# Altium PCB Calipso V2.0 REV2.0 (new origin).PcbDoc (part 2 of 5) (continued)
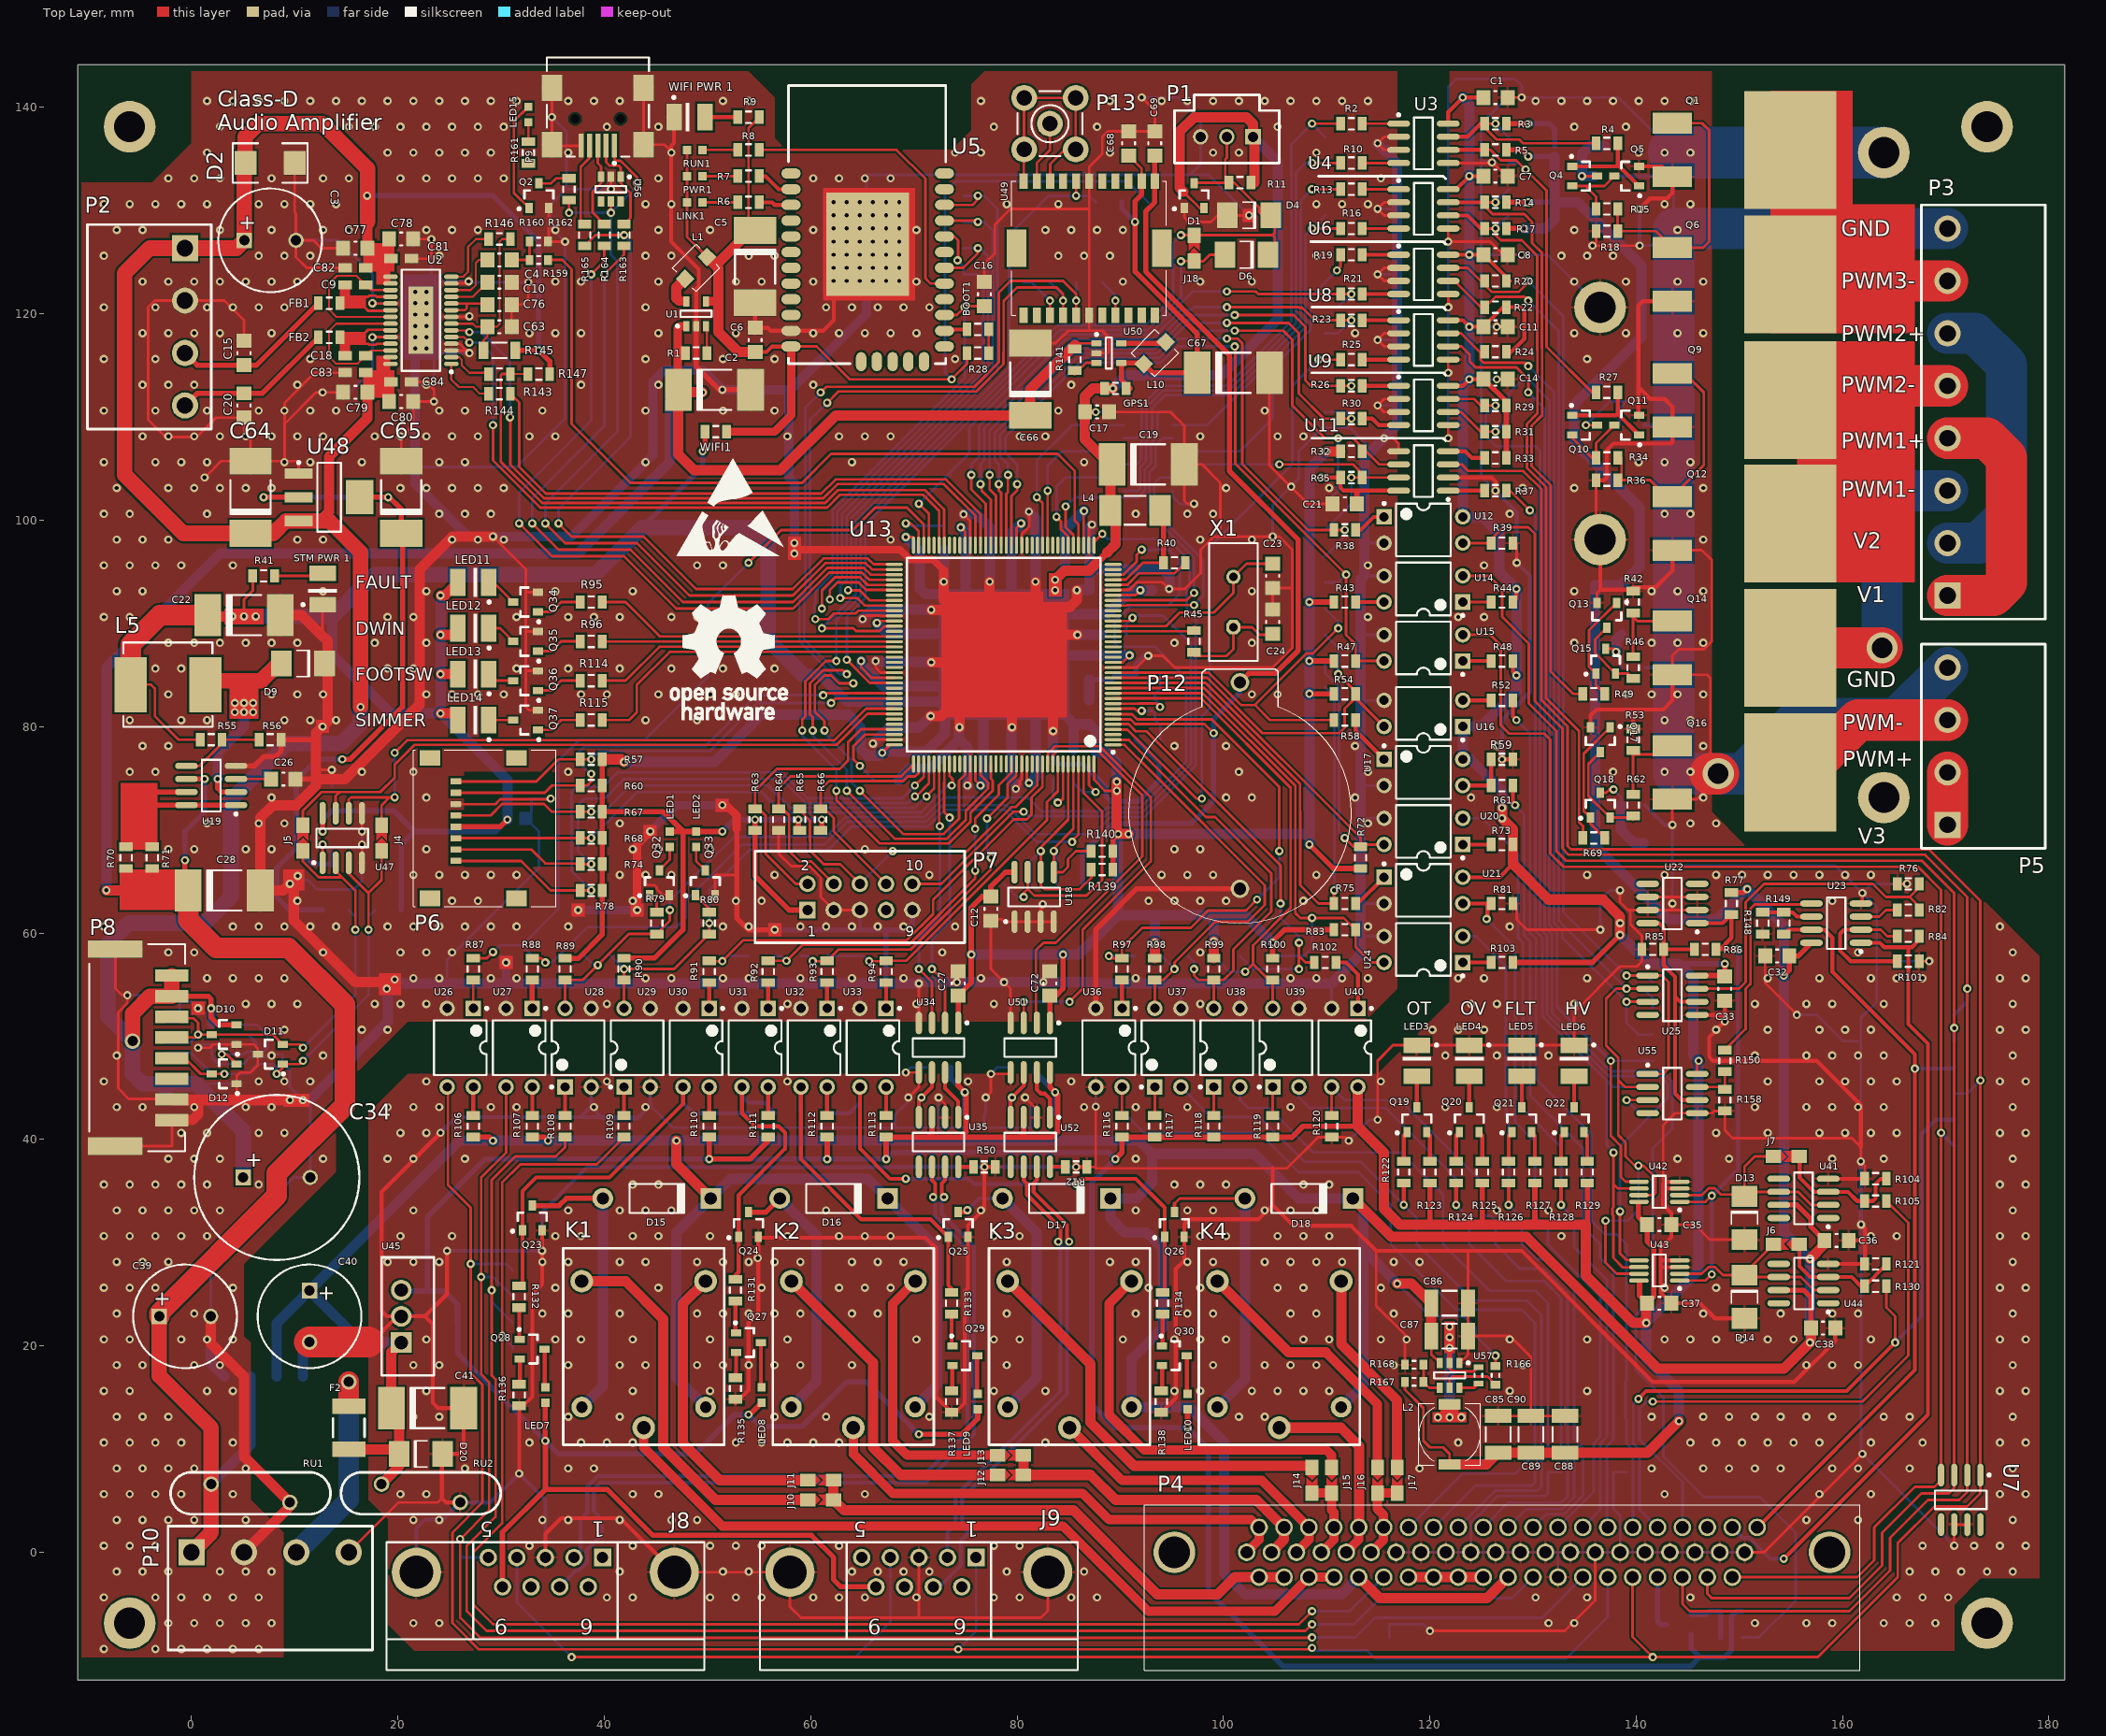
[diagram p0: Top Layer view]
## Nets (pads, with @x,y where several pads share a name; then routed paths per layer and width w, separated by ;. In a path a pad name is that pad's centre, name@x,y a point inside that pad or via, vN(x,y) a via of type N, cw(c..) or ccw(c..) an arc to the next point about the centre after c; other vN are vias at no path point) (continued)
  Top Layer w0.381: 46.76,139.065 46.76,136.549 46.482,136.271 46.482,135.763 46.482,127 49.144,124.338 49.144,122.682 48.895,122.433 U1.2@48.895,118.815 ; C5.2@54.61,121.415 C6.2@54.61,118.65 55.848,118.65 56.134,118.364 U5.23@58.097,118.364 61.214,118.364 62.23,119.38 62.23,123.38 U5.25@65.59,126.74
  Top Layer w0.5: U19.4@4.705,76.2 6.096,76.2 6.985,77.089 8.128,77.089 8.67,77.631 R56.1@8.67,78.74 12.065,78.74 ; C26.1@10.065,74.93 12.065,74.93 ; U1.2@48.895,118.815 48.895,114.913 51.159,112.649 v1(51.435,112.649) C2.2@54.173,112.649 ; 52.832,70.104 52.832,61.468 53.975,60.325 v1(56.515,60.325) ; U36.2@87.63,52.705 87.63,60.325 91.6,64.295 P12.1@101.6,64.295
  Top Layer w0.7: v1@58.42,97.155 68.648,97.155 69.595,96.208 71.813,96.208 72.898,95.123
  Top Layer w0.8: v1(43.18,62.23) 43.18,65.659 43.18,68.58 v1(44.45,69.85) ; v1(51.435,72.39) 51.816,72.39 52.832,71.374 52.832,70.104
  Top Layer w0.9: v1(72.898,94.045) 72.898,95.123
  Top Layer w1: P8.8@-1.905,41.88 0.097,41.88 0.635,42.418 0.635,43.815 ; P8.7@-1.905,43.88 -1.84,43.815 0.635,43.815 ; C39.2@1.865,22.86 1.865,20.233 5.08,17.018 5.08,9.271 RU1.1@9.525,4.826 9.525,4.445 P10.2@5.08,0 ; C22.2@8.58,90.805 10.668,90.805 12.573,88.9 13.17,88.303 13.17,80.48 v1(12.7,80.01) 12.065,79.375 12.065,78.74 12.065,75.819 12.065,74.93 ; 9.906,65.151 9.906,61.214 15.875,55.245 19.05,55.245 ; v1(10.287,65.532) v1(9.525,64.77) 8.89,64.135 C28.2@6.675,64.135 6.675,71.191 7.874,72.39 10.16,72.39 12.065,74.295 12.065,74.93 ; v1(10.795,43.815) v1(9.525,43.815) 4.318,43.815 0.635,43.815 ; v1(29.21,98.425) 25.273,98.425 22.098,95.25 22.098,82.169 14.859,74.93 12.065,74.93 ; v1(71.628,81.026) 72.644,81.026 73.914,82.296 ; v1(71.69,86.233) 73.66,86.233 ; v1(71.69,91.313) 73.152,91.313 ; 72.898,92.329 v1(72.898,94.045) ; v1(74.422,79.945) 74.422,81.407 ; 77.343,92.583 v1(77.343,94.045) ; v1(79.502,79.945) 79.502,81.407 ; 81.788,92.837 v1(81.788,94.045) ; 83.439,82.042 83.49,81.991 v1(83.49,79.578) ; 84.074,88.9 v1(85.852,88.9) ; 84.201,91.567 85.09,91.567 85.79,92.267 v1(85.79,93.218)
  Bottom Layer w0.254: v1(-6.223,53.975) -4.445,53.975 -3.865,53.395 P11.10@-2.54,53.395 -1.198,53.395 -1.143,53.34 ; P11.8@-2.54,51.395 -1.183,51.395 -1.143,51.435 -1.143,52.395 ; P11.9@-2.54,52.395 -1.143,52.395 ; v1(0.635,48.895) 0.955,49.215 D21.1@1.975,49.215 1.975,47.936 2.606,47.305 D23.1@4.375,47.305 5.014,47.305 5.769,48.06 7.674,48.06 7.874,48.26 D22.3@8.82,48.26 8.82,47.441 9.525,46.736 9.525,45.085 v1(10.795,43.815) ; v1(0.635,52.705) 0,53.34 -1.143,53.34 ; C39.2@1.865,22.86 1.865,28.281 9.906,36.322 C34.2@11.505,36.322 11.505,43.74 11.43,43.815 ; 9.906,65.151 11.271,65.151 12.192,64.23 15.716,64.23 16.51,65.024 v1(16.51,68.58) v1(16.51,69.85) ; C3.2@10.12,127.127 14.224,127.127 17.526,123.825 v1(17.526,121.031) v2(21.675,121.03) v2(21.675,121.03) ; v1(12.7,112.395) 15.367,112.395 17.526,114.554 v1(17.526,117.729) v2(21.675,117.73) v2(21.675,117.73) ; C13.1@13.589,74.2 v1(13.589,75.819) ; 21.675,105.156 31.496,105.156 36.195,109.855 v1(36.195,127) 34.798,128.397 34.798,130.556 36.322,132.08 ; v2(22.775,116.63) 23.2,116.205 v1(26.924,116.205) ; v2(22.775,119.93) 22.944,119.761 v1(26.924,119.761) ; 23.241,122.682 23.241,123.151 ; v1(23.241,127.254) 23.241,123.151 ; 23.368,115.951 23.495,115.824 v1(23.495,111.506) ; U26.2@24.765,52.705 24.765,55.117 24.765,57.404 33.655,66.294 33.655,69.85 32.385,71.12 32.925,71.66 C60.2@32.925,73.025 v1(34.798,73.025) ; U27.2@30.481,52.705 30.481,54.864 ; v1(32.639,123.063) 26.947,123.063 v1(26.859,123.151) 23.241,123.151 ; v1(34.925,139.065) 36.322,137.668 36.322,132.08 ; U28.3@38.735,52.705 38.735,55.117 ; v1(40.64,132.08) 36.322,132.08 ; U29.3@44.451,52.705 44.451,55.118 ; U30.2@47.625,52.705 47.625,55.117 ; U31.2@53.34,52.705 53.34,55.117 ; U32.2@59.055,52.705 59.056,55.118 ; U33.2@64.77,52.705 64.77,55.117 ; P7.5@64.77,62.23 64.77,60.452 64.897,60.325 ; 65.278,127.508 65.405,127.635 65.405,133.477 96.774,133.477 ; v1@67.183,123.444 68.326,122.301 ; U36.2@87.63,52.705 87.63,54.991 87.757,55.118 ; v1(92.075,140.97) 95.631,140.97 97.79,138.811 P1.3@97.79,137.16 97.79,134.493 96.774,133.477 ; U46.7@95.11,102.87 95.11,102.248 95.758,101.6 v1(97.155,101.6) ; U37.3@95.885,52.705 95.885,55.118 ; U38.3@101.6,52.705 101.6,55.118 ; v1(102.489,129.54) 98.552,133.477 96.774,133.477 ; v1(104.775,98.425) 104.775,101.473 v1(106.553,103.251) 107.315,104.013 107.315,106.68 109.601,108.966 112.268,108.966 114.427,106.807 ; U39.3@107.315,52.705 107.315,54.991 107.442,55.118 ; U40.2@110.49,52.705 110.49,55.118 ; 113.284,59.69 U24.3@115.57,59.69 ; 113.284,62.865 U21.2@115.57,62.865 ; 113.284,71.12 U20.3@115.57,71.12 ; 113.284,74.295 U17.2@115.57,74.295 ; 113.284,82.677 113.411,82.55 U16.3@115.57,82.55 ; 113.284,88.9 U15.3@115.57,88.9 ; 113.665,94.615 U14.3@115.57,94.615 ; 113.665,97.79 U12.2@115.57,97.79 ; v1(114.935,111.125) 116.84,111.125 ; v1(114.935,117.475) 116.84,117.475 ; v1(114.935,123.825) 116.84,123.825 ; v1(114.935,130.175) 116.84,130.175 ; -1.143,52.395 -1.143,53.34
  Bottom Layer w0.5: v1(56.515,60.325) 64.897,60.325 67.31,60.325 ; 67.183,55.118 67.31,55.245 67.31,60.325 ; P7.9@69.85,62.23 69.85,60.96 69.215,60.325 67.31,60.325 ; R153.1@83.49,77.82 83.49,76.784 83.947,76.327 86.455,76.327 C58.1@87.63,75.152 88.646,74.136 88.646,73.221 89.096,72.771 91.753,72.771 93.726,74.744 93.726,76.549 C70.1@91.535,78.74 ; C51.1@86.995,84.55 89.122,84.55 89.662,85.09 C71.1@91.535,85.09 91.535,86.074 92.329,86.868 v1(92.71,86.868)
  Bottom Layer w0.8: 30.481,54.864 v1(30.481,57.15) ; v1(37.465,62.23) v1(43.18,62.23) ; v1(44.45,69.85) 46.99,72.39 v1(51.435,72.39)
  Bottom Layer w0.9: v2(21.675,116.63) 21.675,105.156 21.675,103.547 26.797,98.425 v1(29.21,98.425) 36.83,98.425 44.704,106.299 44.704,113.411 45.847,114.554 49.53,114.554 v1(51.435,112.649) 57.785,112.649 57.912,112.522 ; v1(58.42,97.79) 58.42,103.632 57.912,104.14 57.912,112.522 ; 65.405,125.095 65.405,120.015 57.912,112.522 ; 66.675,123.19 66.675,124.968
  Bottom Layer w1: C39.2@1.865,22.86 1.865,18.328 TP14.4@3.175,17.018 ; v1(9.525,43.815) v1(10.795,43.815) 11.43,43.815 19.05,51.435 19.05,55.117 24.765,55.117 30.479,55.117 ; 9.906,65.151 v1(10.287,65.532) ; 30.48,55.118 38.736,55.118 44.451,55.118 47.626,55.118 53.341,55.118 59.056,55.118 64.771,55.118 67.183,55.118 v1(70.486,55.118) 70.613,55.245 v1(74.168,55.245) v1(78.74,55.245) v1(82.55,55.245) 87.63,55.245 87.757,55.118 95.885,55.118 101.6,55.118 107.442,55.118 110.49,55.118 113.284,57.912 113.284,59.69 113.284,62.865 113.284,71.12 113.284,74.295 113.284,82.677 113.284,88.9 113.284,94.234 113.665,94.615 113.665,97.79 113.665,106.045 114.427,106.807 v1(115.57,107.95) 116.84,109.22 116.84,111.125 116.84,117.475 116.84,123.825 116.84,130.175 116.84,134.62 v1(114.935,136.525) ; v1(65.024,90.424) 65.945,91.345 71.658,91.345 v1(71.69,91.313) ; v1(66.04,78.359) 67.596,79.915 C55.1@70.485,79.915 71.596,81.026 v1(71.628,81.026) ; v1(66.294,86.36) 66.389,86.265 C52.1@70.485,86.265 71.658,86.265 v1(71.69,86.233) ; C59.2@68.485,74.803 69.628,75.946 71.596,75.946 C57.1@74.39,78.74 ; v1(72.898,94.045) 72.93,94.077 72.93,97.091 C44.2@72.898,97.123 ; v1(74.422,79.945) 74.39,79.913 C57.1@74.39,78.74 ; v1(74.803,100.584) 76.073,100.584 77.375,99.282 77.375,94.077 v1(77.343,94.045) ; v1(75.184,74.295) 75.184,77.946 C57.1@74.39,78.74 ; v1(79.502,79.945) 79.47,79.913 79.47,74.835 79.883,74.422 v1(79.883,73.979) ; v1(81.153,100.838) 81.82,100.171 C46.1@81.82,95.25 ; v1(81.788,94.045) C46.1@81.788,95.25 ; R153.1@83.49,77.82 v1(83.49,79.578) ; v1(85.79,93.218) 85.822,93.25 C48.1@86.995,93.25 87.027,93.282 C45.1@87.027,95.25 ; v1(85.852,88.9) C50.2@88.233,88.9 ; C54.1@86.995,82.582 C51.1@86.995,84.55 ; v1(87.249,99.568) 87.027,99.346 C45.1@87.027,95.25 ; v1(94.742,93.345) 94.742,94.615 94.107,95.25 C45.1@87.027,95.25
  other v1: -8.5,-9.37 -3.5,-9.37 -1,-9.37 1.5,-9.37 4,-9.37 6.5,-9.37 -2.25,-6.87 0.25,-6.87 2.75,-6.87 5.25,-6.87 7.75,-6.87 -8.5,-4.37 -3.5,-4.37 -1,-4.37 1.5,-4.37 4,-4.37 6.5,-4.37 -7.25,-1.87 -4.75,-1.87 -2.25,-1.87 2.75,-1.87 5.25,-1.87 7.75,-1.87 -8.5,0.63 -6,0.63 -3.5,0.63 -7.25,3.13 -4.75,3.13 -2.25,3.13 0.25,3.13 5.25,3.13 -8.5,5.63 -6,5.63 -3.5,5.63 -1,5.63 4,5.63 -7.25,8.13 -4.75,8.13 -2.25,8.13 0.25,8.13 5.25,8.13 -8.5,10.63 -6,10.63 -3.5,10.63 -1,10.63 4,10.63 -7.25,13.13 -4.75,13.13 -2.25,13.13 -8.5,15.63 -6,15.63 1.5,15.63 4,15.63 -7.25,18.13 -4.75,18.13 0.25,18.13 2.75,18.13 -8.5,20.63 -6,20.63 -1,20.63 1.5,20.63 4,20.63 -7.25,23.13 0.25,23.13 -8.5,25.63 -6,25.63 -3.5,25.63 4,25.63 -7.25,28.13 -4.75,28.13 -2.25,28.13 -8.5,30.63 -6,30.63 -3.5,30.63 -1,30.63 1.5,30.63 -7.25,33.13 -4.75,33.13 -2.25,33.13 0.25,33.13 2.75,33.13 -8.5,35.63 -6,35.63 -3.5,35.63 -1,35.63 1.5,35.63 6.5,35.63 -2.25,38.13 0.25,38.13 2.75,38.13 12.75,38.13 -1,40.63 1.5,40.63 6.5,40.63 9,40.63 -7.25,43.13 -4.75,43.13 0.25,43.13 5.25,43.13 7.75,43.13 -8.5,45.63 6.5,45.63 9,45.63 11.5,45.63 -7.25,48.13 7.75,48.13 12.75,48.13 9,50.63 16.5,50.63 19,50.63 5.25,53.13 7.75,53.13 10.25,53.13 17.75,53.13 20.25,53.13 22.75,53.13 40.25,53.13 57.75,53.13 70.25,53.13 77.75,53.13 97.75,53.13 18.923,54.61 19.685,55.499 1.5,55.63 4,55.63 6.5,55.63 9,55.63 21.5,55.63 24,55.63 29,55.63 31.5,55.63 44,55.63 46.5,55.63 51.5,55.63 54,55.63 59,55.63 64,55.63 69,55.63 76.5,55.63 91.5,55.63 106.5,55.63 109,55.63 111.5,55.63 114,55.63 -2.25,58.13 0.25,58.13 12.75,58.13 20.25,58.13 22.75,58.13 25.25,58.13 72.75,58.13 97.75,58.13 -8.5,60.63 4,60.63 6.5,60.63 9,60.63 11.5,60.63 14,60.63 19,60.63 21.5,60.63 24,60.63 26.5,60.63 29,60.63 31.5,60.63 36.5,60.63 51.5,60.63 54,60.63 59,60.63 61.5,60.63 64,60.63 66.5,60.63 69,60.63 74,60.63 114,60.63 10.25,63.13 25.25,63.13 27.75,63.13 42.75,63.13 52.75,63.13 55.25,63.13 92.75,63.13 95.25,63.13 97.75,63.13 100.25,63.13 107.75,63.13 21.5,65.63 24,65.63 26.5,65.63 29,65.63 31.5,65.63 41.5,65.63 46.5,65.63 56.5,65.63 71.5,65.63 94,65.63 96.5,65.63 99,65.63 109,65.63 -2.25,68.13 0.25,68.13 5.25,68.13 7.75,68.13 22.75,68.13 42.75,68.13 45.25,68.13 50.25,68.13 65.25,68.13 95.25,68.13 97.75,68.13 1.5,70.63 6.5,70.63 9,70.63 41.5,70.63 114,70.63 7.75,73.13 22.75,73.13 100.25,73.13 102.75,73.13 112.75,73.13 -6,75.63 -3.5,75.63 16.5,75.63 21.5,75.63 36.5,75.63 101.5,75.63 114,75.63 -4.75,78.13 -2.25,78.13 95.25,78.13 100.25,78.13 112.75,78.13 -6,80.63 -1,80.63 1.5,80.63 9,80.63 11.5,80.63 14,80.63 44,80.63 49,80.63 -2.25,83.13 7.75,83.13 10.25,83.13 12.75,83.13 22.75,83.13 25.25,83.13 27.75,83.13 30.25,83.13 37.75,83.13 40.25,83.13 45.25,83.13 50.25,83.13 52.75,83.13 102.75,83.13 105.25,83.13 -3.5,85.63 -1,85.63 19,85.63 21.5,85.63 31.5,85.63 36.5,85.63 41.5,85.63 46.5,85.63 49,85.63 51.5,85.63 54,85.63 56.5,85.63 -2.25,88.13 0.25,88.13 2.75,88.13 5.25,88.13 7.75,88.13 10.25,88.13 17.75,88.13 22.75,88.13 95.25,88.13 102.75,88.13 -8.5,90.63 -6,90.63 19,90.63 21.5,90.63 31.5,90.63 36.5,90.63 39,90.63 41.5,90.63 46.5,90.63 49,90.63 51.5,90.63 54,90.63 114,90.63 -7.25,93.13 -4.75,93.13 12.75,93.13 22.75,93.13 35.25,93.13 42.75,93.13 102.75,93.13 -8.5,95.63 -6,95.63 -3.5,95.63 -1,95.63 4,95.63 49,95.63 51.5,95.63 114,95.63 58.42,96.774 -7.25,98.13 -4.75,98.13 -2.25,98.13 10.25,98.13 12.75,98.13 25.25,98.13 27.75,98.13 30.25,98.13 67.75,98.13 97.75,98.13 102.75,98.13 -8.5,100.63 -6,100.63 1.5,100.63 24,100.63 26.5,100.63 29,100.63 91.5,100.63 96.5,100.63 99,100.63 -7.25,103.13 -2.25,103.13 0.25,103.13 2.75,103.13 5.25,103.13 7.75,103.13 20.25,103.13 22.75,103.13 25.25,103.13 27.75,103.13 30.25,103.13 100.25,103.13 110.25,103.13 -8.5,105.63 -3.5,105.63 -1,105.63 1.5,105.63 9,105.63 11.5,105.63 16.5,105.63 24,105.63 26.5,105.63 44,105.63 64,105.63 86.5,105.63 -4.75,108.13 -2.25,108.13 0.25,108.13 2.75,108.13 5.25,108.13 7.75,108.13 10.25,108.13 12.75,108.13 17.75,108.13 20.25,108.13 22.75,108.13 25.25,108.13 27.75,108.13 32.75,108.13 35.25,108.13 57.75,108.13 62.75,108.13 65.25,108.13 67.75,108.13 80.25,108.13 82.75,108.13 97.75,108.13 105.25,108.13 107.75,108.13 -8.5,110.63 -3.5,110.63 1.5,110.63 6.5,110.63 9,110.63 11.5,110.63 14,110.63 24,110.63 26.5,110.63 34,110.63 44,110.63 51.5,110.63 56.5,110.63 84,110.63 104,110.63 -4.75,113.13 -2.25,113.13 0.25,113.13 10.25,113.13 22.75,113.13 37.75,113.13 45.25,113.13 60.25,113.13 85.25,113.13 -8.5,115.63 -3.5,115.63 11.5,115.63 44,115.63 51.5,115.63 56.5,115.63 74,115.63 -4.75,118.13 -2.25,118.13 0.25,118.13 2.75,118.13 7.75,118.13 32.75,118.13 35.25,118.13 37.75,118.13 45.25,118.13 52.75,118.13 60.25,118.13 62.75,118.13 65.25,118.13 67.75,118.13 70.25,118.13 112.75,118.13 -8.5,120.63 -3.5,120.63 1.5,120.63 4,120.63 6.5,120.63 9,120.63 44,120.63 61.5,120.63 64,120.63 66.5,120.63 69,120.63 71.5,120.63 -4.75,123.13 -2.25,123.13 0.25,123.13 2.75,123.13 5.25,123.13 7.75,123.13 10.25,123.13 35.25,123.13 37.75,123.13 45.25,123.13 52.75,123.13 55.25,123.13 60.25,123.13 70.25,123.13 90.25,123.13 97.75,123.13 102.75,123.13 62.23,123.19 63.5,123.19 64.77,123.19 66.04,123.19 67.31,123.19 68.58,123.19 62.23,124.46 63.5,124.46 64.77,124.46 66.04,124.46 67.31,124.46 68.58,124.46 -8.5,125.63 6.5,125.63 9,125.63 11.5,125.63 24,125.63 44,125.63 46.5,125.63 54,125.63 56.5,125.63 84,125.63 86.5,125.63 89,125.63 109,125.63 62.23,125.73 63.5,125.73 64.77,125.73 66.04,125.73 67.31,125.73 68.58,125.73 62.23,127 63.5,127 64.77,127 66.04,127 67.31,127 68.58,127 -7.25,128.13 -4.75,128.13 2.75,128.13 7.75,128.13 12.75,128.13 15.25,128.13 22.75,128.13 25.25,128.13 27.75,128.13 35.25,128.13 45.25,128.13 50.25,128.13 60.25,128.13 70.25,128.13 82.75,128.13 85.25,128.13 87.75,128.13 90.25,128.13 62.23,128.27 63.5,128.27 64.77,128.27 66.04,128.27 67.31,128.27 68.58,128.27 62.23,129.54 63.5,129.54 64.77,129.54 66.04,129.54 67.31,129.54 68.58,129.54 -8.5,130.63 -6,130.63 -3.5,130.63 -1,130.63 1.5,130.63 6.5,130.63 9,130.63 11.5,130.63 14,130.63 44,130.63 46.5,130.63 79,130.63 84,130.63 109,130.63 111.5,130.63 114,130.63 62.23,130.81 63.5,130.81 64.77,130.81 66.04,130.81 67.31,130.81 68.58,130.81 -2.25,133.13 0.25,133.13 2.75,133.13 7.75,133.13 12.75,133.13 15.25,133.13 20.25,133.13 22.75,133.13 25.25,133.13 27.75,133.13 30.25,133.13 45.25,133.13 60.25,133.13 62.75,133.13 65.25,133.13 67.75,133.13 115.25,133.13 1.5,135.63 19,135.63 21.5,135.63 24,135.63 26.5,135.63 29,135.63 36.5,135.63 46.5,135.63 74,135.63 76.5,135.63 89,135.63 99,135.63 101.5,135.63 109,135.63 2.75,138.13 15.25,138.13 17.75,138.13 20.25,138.13 22.75,138.13 25.25,138.13 27.75,138.13 30.25,138.13 40.25,138.13 45.25,138.13 77.75,138.13 87.75,138.13 105.25,138.13 1.5,140.63 4,140.63 6.5,140.63 9,140.63 11.5,140.63 14,140.63 16.5,140.63 19,140.63 21.5,140.63 24,140.63 26.5,140.63 29,140.63 31.5,140.63 36.5,140.63 39,140.63 41.5,140.63 51.5,140.63 54,140.63 76.5,140.63 89,140.63 94,140.63 96.5,140.63 99,140.63 101.5,140.63 104,140.63 106.5,140.63 109,140.63 111.5,140.63 114,140.63
  other v2: 22.775,117.73 21.675,118.83 22.775,118.83 21.675,119.93 22.775,121.03 21.675,122.13 22.775,122.13
AREL1: K1.1 P4.45 P4.46 | length 76.7
  Top Layer w0.9: K1.1@43.815,12.065 43.815,10.16 51.435,2.54 84.455,2.54 92.71,-5.715 104.984,-5.715 P4.45@108.286,-2.413 P4.46@110.699,-2.413
AREL2: J10.1 J11.1 P4.43 P4.44 | length 50
  Top Layer w1: J11.1@62.21,6.985 J10.1@62.21,5.08 63.226,4.064 85.471,4.064 93.599,-4.064 99.441,-4.064 101.092,-2.413 P4.43@103.46,-2.413 P4.44@105.873,-2.413
AUDIO_GAIN0: U2.5 U13.67 | length 64.6
  Top Layer w0.2: U2.5@25.175,117.755 26.39,117.755 v1(26.924,117.221)
  Top Layer w0.254: v1(29.21,109.22) 29.21,105.791 33.782,101.219 61.595,101.219 62.846,102.47 70.885,102.47 72.459,100.896 U13.67@72.459,97.583
  Bottom Layer w0.254: v1(26.924,117.221) 27.94,117.221 29.21,115.951 v1(29.21,109.22)
AUDIO_GAIN1: U2.6 U13.60 | length 68.1
  Top Layer w0.2: U2.6@25.175,118.405 26.756,118.405 v1(26.924,118.237)
  Top Layer w0.254: v1(30.861,109.982) 30.895,109.948 30.895,105.39 34.158,102.127 61.219,102.127 62.597,103.505 72.91,103.505 75.959,100.456 U13.60@75.959,97.583
  Bottom Layer w0.254: v1(26.924,118.237) 28.067,118.237 30.861,115.443 v1(30.861,109.982)
AUDIO_NCS: R144.1 U13.59 | length 58.2
  Top Layer w0.254: R144.1@30.895,112.268 31.75,111.413 31.75,105.177 34.346,102.581 61.031,102.581 62.409,103.959 73.098,103.959 76.459,100.598 U13.59@76.459,97.583
AUDIO_NFLT: R143.1 R147.2 U13.66 | length 60.5
  Top Layer w0.2: R143.1@30.895,114.173 R147.2@32.605,114.173
  Top Layer w0.254: R143.1@30.895,114.173 30.099,114.173 29.972,114.046 29.972,105.671 33.97,101.673 61.407,101.673 62.658,102.924 71.073,102.924 72.936,101.061 72.936,97.606 U13.66@72.959,97.583
AVCC: C63.2 R145.2 R146.1 U2.7 | length 16.5
  Top Layer w0.2: U2.7@25.175,119.055 27.249,119.055 27.559,118.745 C63.2@28.67,118.745 ; R145.2@28.295,116.459 28.295,117.449 28.67,117.824 C63.2@28.67,118.745 ; R146.1@30.895,127.254 30.099,127.254 29.845,127 29.845,118.999 29.591,118.745 C63.2@28.67,118.745
AVCCMCU: L4.2 R40.2 U13.33 | length 10.8
  Top Layer w0.254: U13.33@89.34,94.245 90.562,94.245 92.202,95.885 93.825,95.885 R40.2@94.2,95.885
  Top Layer w0.5: L4.2@93.845,100.965 94.2,100.61 R40.2@94.2,95.885
BREL1: K2.1 P4.1 P4.22 | length 47.7
  Top Layer w0.9: K2.1@64.135,12.065 64.135,9.525 67.945,5.715 86.36,5.715 88.9,3.175 102.695,3.175 P4.1@103.46,2.41 103.46,1.21 P4.22@102.25,0
BREL2: J12.1 J13.1 P4.2 P4.23 | length 32.2
  Top Layer w1: J13.1@80.625,9.398 J12.1@80.625,7.493 87.122,7.493 89.535,5.08 103.203,5.08 P4.2@105.873,2.41 105.873,1.21 P4.23@104.663,0
CAN1_N: J8.2 R51.1 U35.6 | length 73.7
  Top Layer w0.381: U35.6@71.756,37.351 71.756,36.06 72.073,35.743 72.073,34.627 v1(71.864,34.417)
  Bottom Layer w0.381: J8.2@37.06,-0.51 37.685,0.115 R51.1@37.685,3.175 38.354,3.844 38.354,6.359 39.361,7.366 70.866,7.366 75.184,11.684 75.184,29.392 72.073,32.503 72.073,34.207 v1(71.864,34.417)
CAN1_P: J8.7 R51.2 U35.7 | length 78.2
  Top Layer w0.381: v1(72.918,34.417) 72.708,34.627 72.708,35.743 73.026,36.06 U35.7@73.026,37.351
  Bottom Layer w0.381: J8.7@35.675,-3.35 37.28,-1.745 37.572,-1.745 38.296,-1.022 38.296,0.198 39.785,1.687 R51.2@39.785,3.175 38.989,3.971 38.989,6.096 39.624,6.731 71.129,6.731 71.315,6.917 75.819,11.421 75.819,29.655 72.708,32.766 72.708,34.207 v1(72.918,34.417)
CAN1_RX: U13.114 U34.3 | length 26.5
  Top Layer w0.254: v1(70.486,56.515) 71.756,55.245 U34.3@71.756,51.295 ; U13.114@72.459,76.383 72.459,70.416 v1(72.517,70.358)
  Bottom Layer w0.254: v1(70.486,56.515) 70.486,59.564 72.517,61.595 v1(72.517,70.358)
CAN1_TX: U13.115 U34.2 | length 26.6
  Top Layer w0.254: v1(71.756,56.515) 73.026,55.245 U34.2@73.026,51.295 ; U13.115@72.959,76.383 72.959,74.622 72.933,74.596 72.933,71.72 v1(73.463,71.19)
  Bottom Layer w0.254: v1(71.756,56.515) 71.756,59.437 73.463,61.144 v1(73.463,71.19)
CAN2_N: J9.2 R142.1 U52.6 | length 44
  Top Layer w0.381: U52.6@80.645,37.351 80.645,36.06 80.962,35.743 80.962,34.662 84.201,31.423 84.201,30.309 v1(83.991,30.099)
  Bottom Layer w0.381: J9.2@73.255,-0.51 73.245,-0.5 R142.1@73.245,1.905 74.041,2.701 74.041,5.461 84.201,15.621 84.201,29.889 v1(83.991,30.099)
CAN2_P: J9.7 R142.2 U52.7 | length 48.6
  Top Layer w0.381: U52.7@81.915,37.351 81.915,36.06 81.597,35.743 81.597,34.925 84.836,31.686 84.836,30.309 v1(85.046,30.099)
  Bottom Layer w0.381: J9.7@71.87,-3.35 72.469,-3.35 74.549,-1.27 74.549,1.109 R142.2@75.345,1.905 74.676,2.574 74.676,5.198 84.836,15.358 84.836,29.889 v1(85.046,30.099)
CAN2_RX: U13.135 U51.3 | length 42.3
  Top Layer w0.254: U51.3@80.645,51.93 v1(80.645,53.34) ; U13.135@82.959,76.383 82.982,76.406 82.982,77.398 83.689,78.105 88.018,78.105 92.964,73.159 92.964,66.929 86.36,60.325 86.36,54.61 v1(85.09,53.34)
  Bottom Layer w0.254: v1(80.645,53.34) v1(85.09,53.34)
CAN2_TX: U13.136 U51.2 | length 38.5
  Top Layer w0.254: U51.2@81.915,51.295 81.823,51.387 81.823,58.328 82.55,59.055 83.759,59.055 92.129,67.425 92.129,73.352 87.83,77.651 83.877,77.651 83.482,77.256 83.482,76.406 U13.136@83.459,76.383
CH_NERR: P4.62 TP7.6 U7.4 U15.2 | length 152.6
  Top Layer w0.254: U15.2@123.19,88.9 125.857,88.9 126.873,87.884 126.873,80.137 127.686,79.324 131.09,79.324 131.674,78.74 131.674,67.716 132.969,66.421 132.986,66.421 167.306,66.421 169.545,64.182 v1(169.545,40.64) U7.4@169.545,7.48 169.545,6.985 168.91,6.35 167.005,6.35 163.068,2.413 163.068,-0.762 161.417,-2.413 P4.62@149.307,-2.413
  Bottom Layer w0.384: v1(169.545,40.64) TP7.6@170.815,39.37
CH_PULSE: Q31.1 R156.1 R157.2 | length 5.5
  Bottom Layer w0.5: Q31.1@145.345,-6.035 146.746,-6.035 147.066,-5.715 R156.1@148.175,-5.715 R157.2@148.175,-8.255
COOL_PWM: U13.47 U46.13 | length 18.2
  Top Layer w0.254: v1(81.915,102.235) 82.459,101.691 U13.47@82.459,97.583
  Bottom Layer w0.254: v1(81.915,102.235) 81.915,105.791 85.344,109.22 U46.13@90.31,109.22
CREL1: K3.1 P4.3 P4.24 | length 30.1
  Top Layer w0.9: K3.1@85.09,12.065 90.17,6.985 103.711,6.985 P4.3@108.286,2.41 108.286,1.21 P4.24@107.076,0
CREL2: J14.1 J15.1 P4.4 P4.25 | length 8.2
  Top Layer w0.9: J14.1@108.585,5.735 J15.1@110.49,5.735 110.49,4.064 110.699,3.855 P4.4@110.699,2.41 110.699,1.21 P4.25@109.489,0
DAC_CS: R23.1 TP10.3 U13.58 | length 56.6
  Top Layer w0.254: v1(75.565,104.394) 75.565,102.997 76.959,101.603 U13.58@76.959,97.583 ; v1(100.33,120.65) 107.315,120.65 107.442,120.523 107.569,120.65 108.839,119.38 R23.1@110.97,119.38 ; R23.1@111.345,119.38 v1(112.395,119.38)
  Bottom Layer w0.254: v1(75.565,104.394) 75.565,105.41 76.327,106.172 76.327,109.129 84.727,117.529 93.018,117.529 95.885,120.396 96.901,120.396 97.155,120.65 v1(100.33,120.65) ; TP10.3@109.855,118.11 111.125,118.11 v1(112.395,119.38)
DAC_MOSI: R19.1 TP10.1 U46.4 | length 29.6
  Top Layer w0.254: v1(110.998,124.206) 111.345,124.553 R19.1@111.345,125.73
  Bottom Layer w0.254: U46.4@95.11,106.68 101.6,106.68 104.775,109.855 104.775,114.808 108.458,118.491 108.458,121.666 v1(110.998,124.206)
DAC_N: C10.2 U2.11 | length 4.1
  Top Layer w0.2: U2.11@25.175,121.655 27.262,121.655 C10.2@28.67,123.063
DAC_OUT: R159.1 U13.40 | length 77.9
  Top Layer w0.254: R159.1@34.555,125.222 35.941,125.222 36.83,124.333 36.83,109.347 42.545,103.632 59.182,103.632 61.976,106.426 83.947,106.426 85.598,104.775 85.598,99.949 85.959,99.588 U13.40@85.959,97.583
DAC_P: C4.2 U2.12 | length 6
  Top Layer w0.2: U2.12@25.175,122.305 27.055,122.305 27.559,122.809 27.559,124.968 27.813,125.222 C4.2@28.67,125.222
DAC_SCK: R21.1 TP10.2 U13.69 | length 59.1
  Top Layer w0.254: v1(70.485,101.6) 71.459,100.626 U13.69@71.459,97.583 ; v1(100.33,122.174) 103.124,122.174 103.378,121.92 R21.1@110.97,121.92 ; R21.1@111.345,121.92 v1(112.395,121.92)
  Bottom Layer w0.254: v1(70.485,101.6) 75.365,106.48 75.365,108.999 80.594,114.228 80.594,114.249 84.328,117.983 92.83,117.983 97.021,122.174 v1(100.33,122.174) ; TP10.2@109.855,120.65 111.125,120.65 v1(112.395,121.92)
DACI_CS: R24.1 TP21.3 U8.7 U25.3 | length 82.1
  Top Layer w0.254: U8.7@121.78,118.11 123.035,118.11 124.94,116.205 124.94,115.544 125.222,115.262 129.213,115.262 v1(129.54,114.935) ; v1(139.065,53.34) U25.3@141.11,53.34
  Bottom Layer w0.254: v1(129.54,114.935) 132.046,112.429 132.046,60.987 132.823,60.21 132.823,59.582 v1(139.065,53.34) 139.065,51.308 140.208,50.165 TP21.3@141.605,50.165
DACIN_P: C4.1 R159.2 R160.1 | length 3.5
  Top Layer w0.254: C4.1@31.02,125.222 R159.2@32.755,125.222 R160.1@32.755,127
DREL1: K4.1 P4.5 P4.26 | length 19.3
  Top Layer w0.9: P4.26@111.902,0 113.112,1.21 P4.5@113.112,2.41
  Top Layer w1: K4.1@105.41,12.065 111.379,12.065 113.157,10.287 113.157,2.455 P4.5@113.112,2.41
DREL2: J16.1 J17.1 P4.6 P4.27 | length 8.4
  Top Layer w0.9: P4.27@114.315,0 115.525,1.21 P4.6@115.525,2.41 115.525,3.601 114.935,4.191 J16.1@114.935,5.735 J17.1@116.84,5.735
DWIN_BUSY: P8.6
DWIN_RX: J5.1 U13.102 U47.7 | length 65.6
  Top Layer w0.254: J5.1@10.795,70.465 10.795,71.855 12.6,73.66 14.351,73.66 ; U47.7@13.97,71.615 13.97,73.279 14.351,73.66 ; U13.102@68.14,81.245 65.504,81.245 62.491,78.232 21.59,78.232 19.685,76.327 19.685,75.057 18.288,73.66 14.351,73.66
DWIN_TX: J4.1 U13.101 U47.6 | length 63.4
  Top Layer w0.254: U47.6@15.24,71.615 15.24,72.952 15.44,73.152 19.177,73.152 ; J4.1@18.415,70.465 18.415,72.39 19.177,73.152 ; v1(19.685,73.152) 19.177,73.152 ; v1(19.685,77.47) 20.901,78.686 62.303,78.686 65.362,81.745 U13.101@68.14,81.745
  Bottom Layer w0.254: v1(19.685,73.152) v1(19.685,77.47)